# Altium PCB CSU RevB_ASCII.PcbDoc (part 4 of 5)
Units mil, origin at the board's own origin, x right, y up, seen from the top; angles counter-clockwise.
Board outline 5905.51 x 4330.71 mil, 8 copper layers (Top Layer, InternalPlane1, MidLayer1, InternalPlane2, MidLayer2, InternalPlane3, MidLayer3, Bottom Layer); 265 components, 387 nets, 1910 pads, 1151 vias.
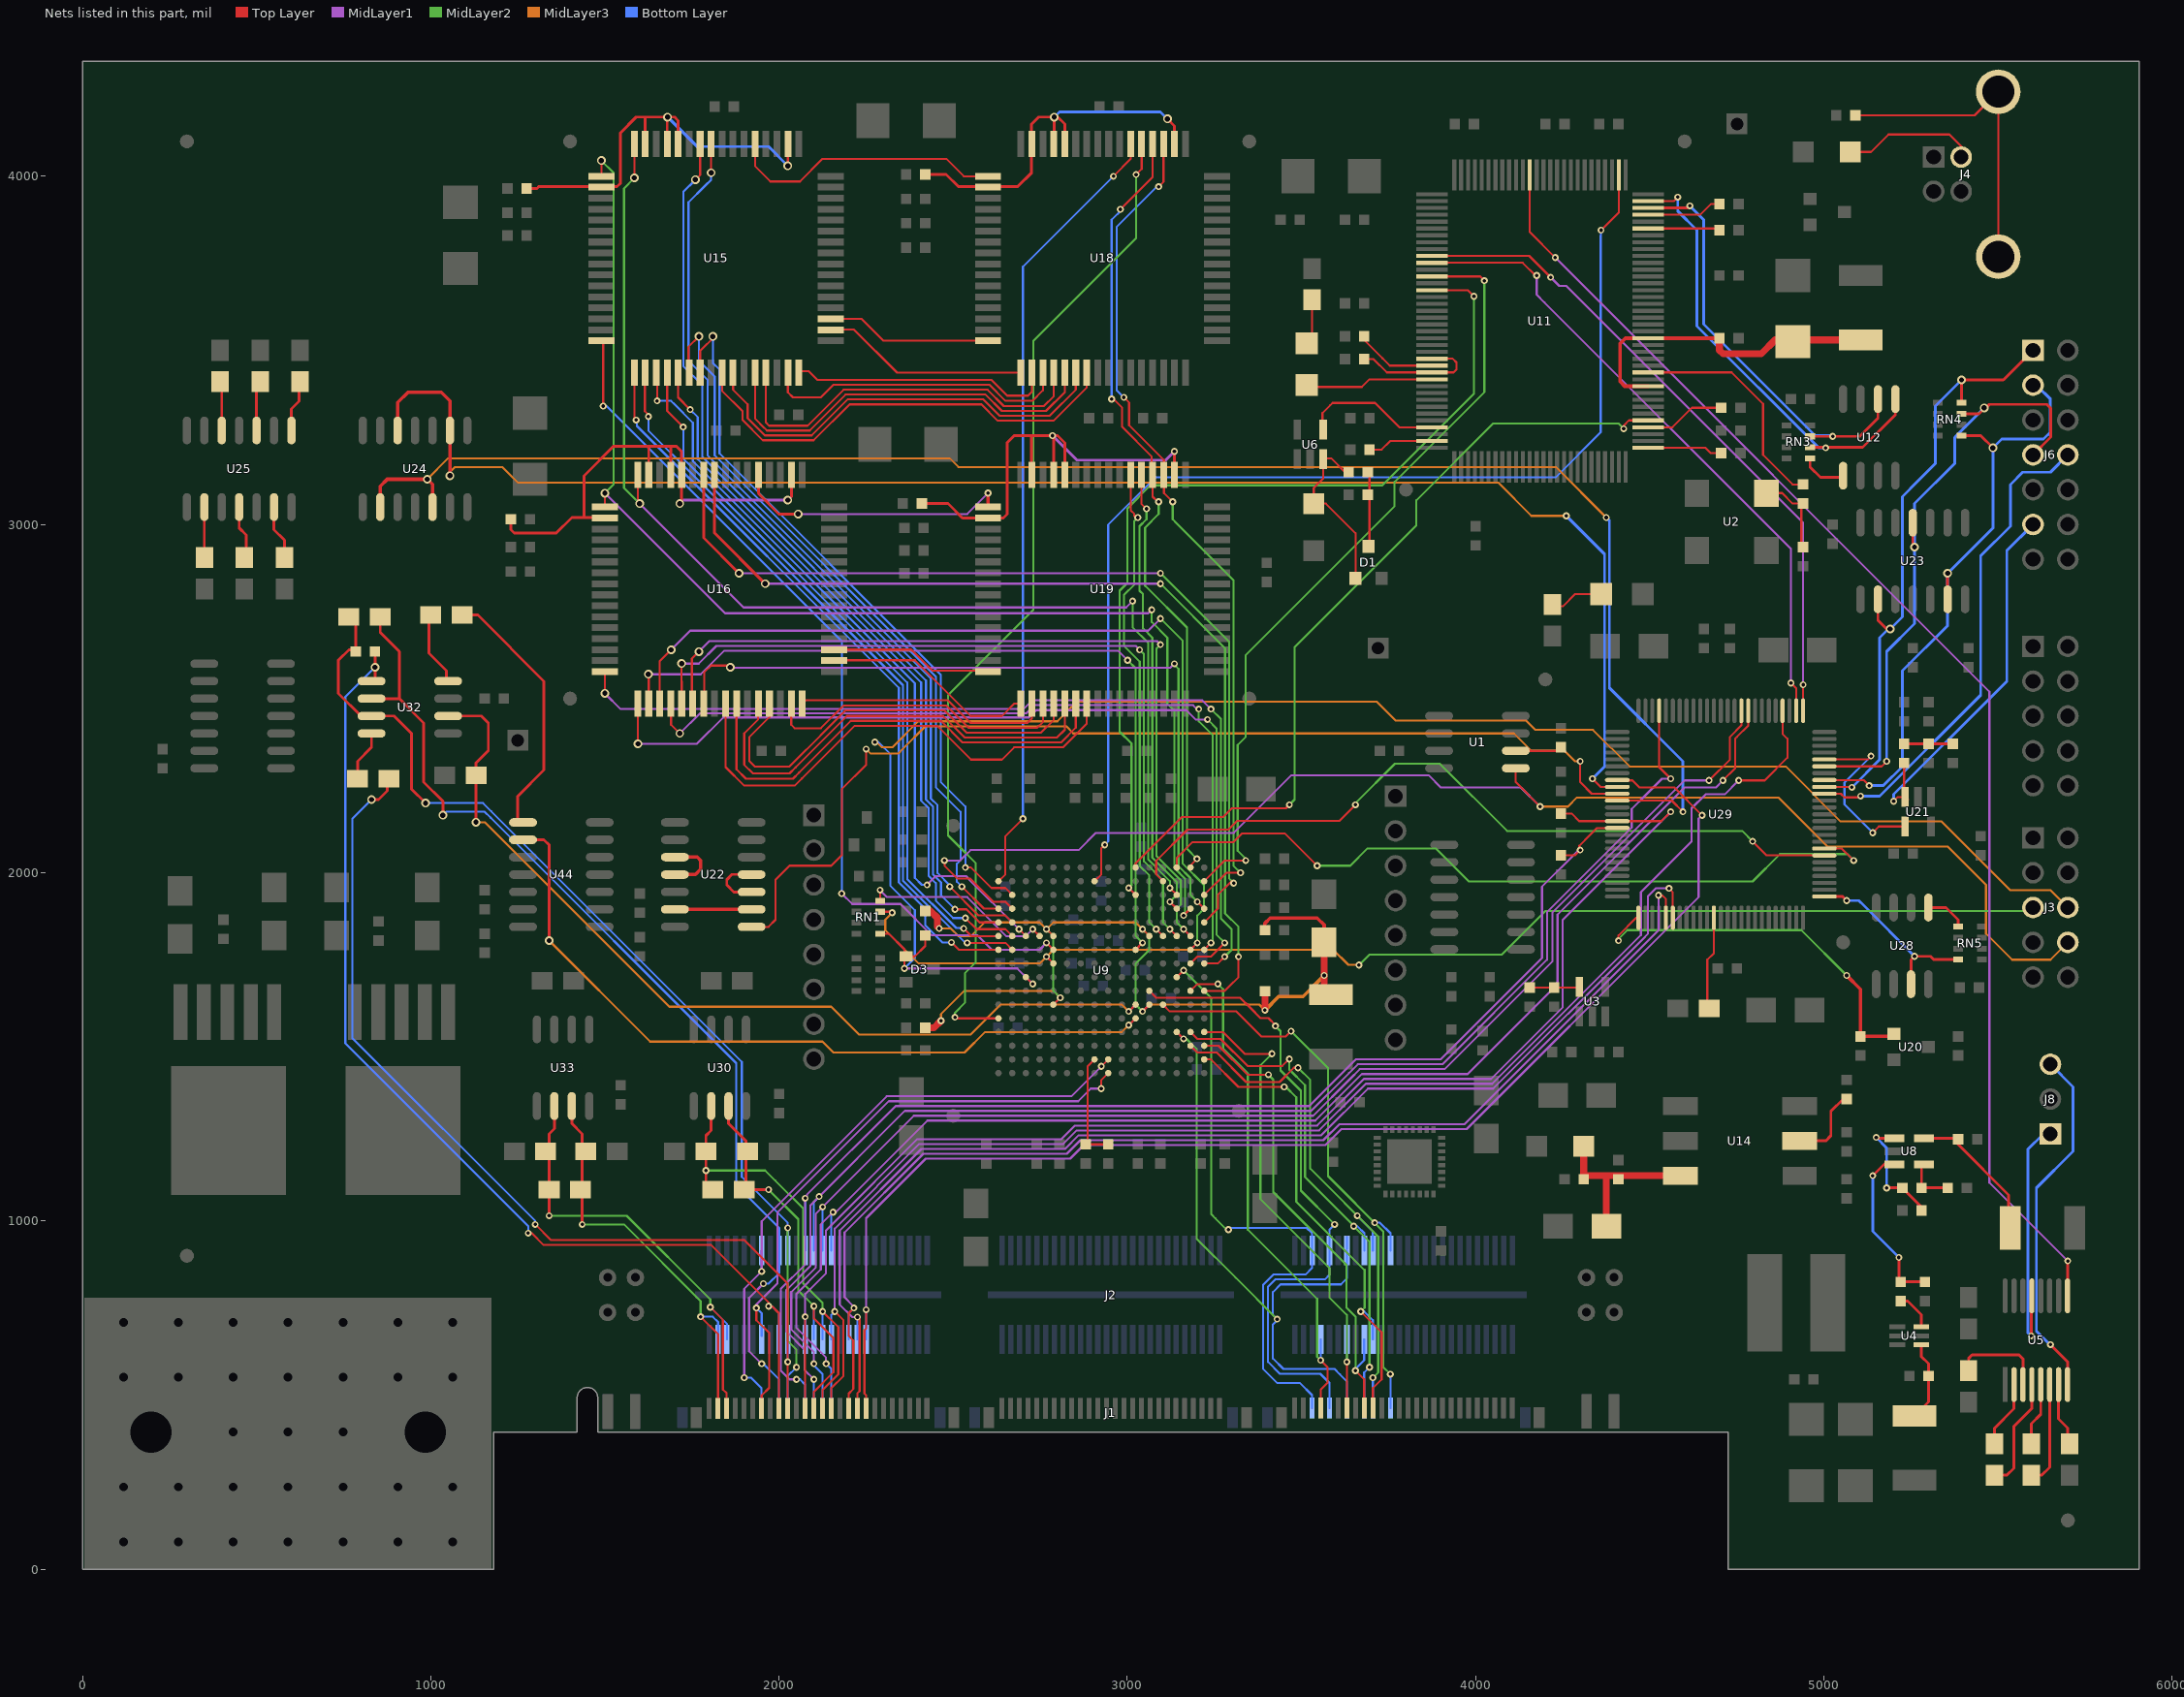
[diagram p10: the nets of this part, all layers, seen from the top]

## Via types
v1: diameter 20, hole 10, Top Layer to Bottom Layer, 647 vias
v2: diameter 25, hole 15, Top Layer to Bottom Layer, 352 vias
v3: diameter 20, hole 10, Top Layer to Bottom Layer, tented top, 151 vias
v4: diameter 20, hole 10, Top Layer to Bottom Layer, tented bottom, 1 vias

## Nets (pads, with @x,y where several pads share a name; then routed paths per layer and width w, separated by ;. In a path a pad name is that pad's centre, name@x,y a point inside that pad or via, vN(x,y) a via of type N, cw(c..) or ccw(c..) an arc to the next point about the centre after c; other vN are vias at no path point) (continued)
MPP: J1.45 J2.45 U9.K15 | length 1502.6
  Top Layer w6: U9.K15@3181.18,1660.67 3200.87,1680.35 v1(3259.92,1680.35) ; v1(3555,600) 3575,580 3575,535 3555,515 3555,463.05 J1.45@3555.21,462.85
  MidLayer2 w6: v1(3259.92,1680.35) 3275,1665.28 3275,1495 3346,1424 3346,974.91 3545,775.91 3545,610 v1(3555,600)
  Bottom Layer w6: v1@3555.51,600.51 J2.45@3555.51,659.84
N_CONFIG: J3.5 RN1.3 U9.H5 | length 3559.7
  Top Layer w6: RN1.3@2290.01,1887.99 2322.01,1887.99 v1(2325,1885) ; v3(2767.8,1759.09) U9.H5@2787.48,1739.41
  MidLayer2 w6: v1(3665,1735) 3695,1765 4075,1765 4200,1890 5590,1890 J3.5@5600,1900
  MidLayer3 w6: v1(2325,1885) 2305,1865 2305,1835 2400.59,1739.41 2748.11,1739.41 2787.48,1778.78 3591.22,1778.78 3634.57,1735.43 3664.57,1735.43 v1(3665,1735)
NCE: C14.1 D3.1 J3.6 RN1.1 U9.J3 | length 5107
  Top Layer w6: RN1.1@2290.01,1825 2315,1825 2360,1780 v1(2360,1725) ; D3.1@2360,1760 2390,1760 2420,1790 C14.1@2420,1820.01 ; U9.J3@2708.74,1700.04 v3(2728.43,1680.35)
  MidLayer1 w6: v1(2360,1725) 2683.78,1725 2716.44,1692.34 v3(2728.43,1680.35)
  MidLayer3 w6: v1(2275,2375) 2280,2375 2295,2360 2325,2360 2400,2435 2799,2435 2855,2491 3715.9,2491 3770,2436.9 4145,2436.9 4171.9,2410 4336.97,2410 4441.97,2305 4890,2305 5048,2147 5338,2147 5535,1950 5650,1950 J3.6@5700,1900
  Bottom Layer w6: v1(2275,2375) 2285,2375 2320,2340 2320,1962.12 2390,1892.12 2390,1755 v1(2360,1725)
NCS: J3.8 U1.1 U9.D2 | length 4069.6
  Top Layer w6: v1(2475,2035) 2475,2020 2512,1983 2549,1983 2615.43,1916.57 2649.68,1916.57 U9.D2@2669.37,1896.89 ; U1.1@4115,2300 4115,2260 v1(4185,2190)
  MidLayer1 w6: v1(2475,2035) 2520,2035 2550,2065 2860,2065 2909.54,2114.54 3305.46,2114.54 3470.91,2280 3865,2280 3900,2245 4130,2245 v1(4185,2190)
  MidLayer3 w6: v1(4185,2190) 4265,2190 4291,2216 4869,2216 5010,2075 5355,2075 5465,1965 5465,1825 5540,1750 5650,1750 J3.8@5700,1800
NetC2_1: C2.1 D1.1 R3.2 U6.3 | length 514.4
  Top Layer w6: R3.2@3635,3150.02 3624.99,3150.01 3585,3190 3564.72,3190 U6.3@3562.4,3187.68 3562.4,3132.4 3535,3105 C2.1@3535,3060 3570,3060 3655,2975 D1.1@3655,2845
NetC5_2: C5.2 J4.E1 J4.E2 | length 912.5
  Top Layer w6: C5.2@5090,4174.99 5432.47,4174.99 J4.E2@5500.39,4242.91 J4.E1@5500.39,3768.9
NetC6_1: C6.1 U5.2 | length 193
  Top Layer w8: C6.1@5490,360 5490,405 5545.59,460.59 U5.2@5545.59,530
NetC6_2: C6.2 U5.4 | length 324.7
  Top Layer w8: C6.2@5490,270 5525,270 5545,290 5545,410 5596.77,461.77 U5.4@5596.77,530
NetC7_1: C7.1 L1.2 U4.4 | length 229.4
  Top Layer w8: L1.2@5260.04,440.12 5300,480.09 5300,590 5279.45,610.55 U4.4@5279.45,644.41
NetC9_1: C9.1 C13.1 L3.2 U11.10 U11.17 | length 997.5
  Top Layer w6: C13.1@4890,3490 4890,3500 4910.22,3520.22 C13.1@4910.22,3524.85 ; L3.2@5099.94,3524.85 L3.2@5104.96,3529.88
  Top Layer w10: U11.10@4495,3397.17 4427.83,3397.17 4415,3410 4415,3520 4429.93,3534.93 C9.1@4700,3534.99
  Top Layer w20: C9.1@4700,3534.99 4700,3500 4710,3490 4820,3490 4860,3530 L3.2@5105,3530
NetC16_1: C16.1 U5.7 | length 183
  Top Layer w8: U5.7@5673.54,530 5673.54,431.46 5700,405 5700,365 C16.1@5705,360
NetC17_1: C17.1 U5.5 | length 181.3
  Top Layer w8: C17.1@5595,360 5595,417.64 5622.36,445 U5.5@5622.36,530
NetC17_2: C17.2 U5.6 | length 299.5
  Top Layer w8: C17.2@5595,270 5625,270 5647.95,292.95 U5.6@5647.95,530
NetC19_1: C19.1 U5.3 | length 283.8
  Top Layer w8: C19.1@5415,560 5415,605 5425,615 5560,615 5571.18,603.82 U5.3@5571.18,530
NetC24_1: C24.1 L4.1 U8.5 | length 430.8
  Top Layer w8: U8.5@5287.32,1237.4 5382.59,1237.4 C24.1@5385,1234.99 5385,1220 5530,1075 5530,970 L4.1@5535,965
NetC31_1: C31.1 C35.2 C38.1 L5.2 U14.6 | length 521.6
  Top Layer w20: L5.2@4310,1215 C35.2@4310,1119.99 4320.01,1130 U14.6@4587.48,1130 ; C31.1@4375,985 4375,1130
NetC74_1: C74.1 R30.2 R32.2 | length 140
  Top Layer w8: R30.2@5230.01,2370 R32.2@5370.01,2370
NetC110_1: C110.1 U29.62 | length 258.4
  Top Layer w6: C110.1@4665,1620 4665,1750 4684.09,1769.09 U29.62@4684.09,1870.51
NetC127_1: C127.1 C128.2 C130.2 C132.2 C134.2 L7.1 U9.F5 U9.F12 U9.L5 U9.L12 | length 2829.6
  Top Layer w6: C134.2@2420,1889.99 C134.2@2420,1899.99 ; v3(2767.8,1837.83) U9.F5@2787.48,1818.15 ; U9.L5@2787.48,1621.3 v3(2807.17,1640.98) ; v3(3043.39,1601.61) U9.L12@3063.07,1621.3 ; v3(3043.39,1837.83) U9.F12@3063.07,1818.15 ; L7.1@3565,1650 L7.1@3595,1650 ; C127.1@3565,1785 C127.1@3565,1795
  Top Layer w10: C128.2@3395,1835.01 3395,1855 3410,1870 3545,1870 3565,1850 C127.1@3565,1795
  Top Layer w20: C132.2@2420,1555 2445,1555 v1(2465,1575) ; C134.2@2420,1889.99 2435.01,1889.99 2455,1870 2455,1845 v1(2460,1840) ; v1(3395,1605) C130.2@3395,1660.01 ; L7.1@3565,1650 v1(3565,1705) C127.1@3565,1785
  MidLayer2 w6: v3(2767.8,1837.83) 2787.48,1818.15 2787.48,1660.67 v3(2807.17,1640.98) ; v3(3043.39,1601.61) 3023.7,1621.3 3023.7,1739.41 3063.07,1778.78 3063.07,1818.15 v3(3043.39,1837.83)
  MidLayer3 w6: v1(2460,1840) 2493.15,1840 2515,1818.15 2551.26,1818.15 2590.63,1857.52 2748.11,1857.52 v3(2767.8,1837.83) 2787.48,1857.52 3023.7,1857.52 v3(3043.39,1837.83) ; v1(2465,1575) 2465,1594.09 2531.57,1660.67 2787.48,1660.67 v3(2807.17,1640.98) ; v3(3043.39,1601.61) 3063.07,1621.3 3378.7,1621.3 v1(3395,1605)
  MidLayer3 w10: v1(3395,1605) 3434.1,1644.1 3504.1,1644.1 v1(3565,1705)
NetD1_3: D1.3 R1.2 R3.1 | length 217.1
  Top Layer w6: R3.1@3690,3150.02 3695,3145.01 D1.3@3695,2935
NetD2_A: D2.A R4.2 | length 131.2
  Top Layer w6: D2.A@3515,3520 3530,3535 R4.2@3530,3645
NetD2_K: D2.K U11.92 | length 360.6
  Top Layer w6: D2.K@3525,3400 3530,3395 3673.15,3395 3695,3416.85 U11.92@3874.45,3416.85
NetD5_A: D5.A R29.1 | length 156.6
  Top Layer w6: R29.1@4220,2770 4225,2765 4250,2765 4285,2800 D5.A@4360,2800
NetJ4_4: J4.4 L2.1 | length 380.6
  Top Layer w6: L2.1@5080,4070 5135,4070 5185,4120 5360,4120 5395,4085 5395,4056.42 J4.4@5393.7,4055.12
NetJ6_11: J6.11 R30.1 U21.3 | length 1111.2
  Top Layer w6: v1(5200,2205) 5212.32,2217.32 U21.3@5232.6,2217.32 U21.3@5230.01,2219.91
  Top Layer w8: R30.1@5230.01,2315 5230.01,2219.99 U21.3@5240,2210
  Bottom Layer w8: v1(5200,2205) 5200,2225 5525,2550 5525,2925 J6.11@5600,3000
NetR2_1: R2.1 U1.2 | length 130
  Top Layer w6: U1.2@4115,2350 R2.1@4245,2350
NetR5_1: R5.1 R6.1 U2.3 | length 249.5
  Top Layer w6: U2.3@4825,3090 4880,3090 4910,3060 4935,3060 4935,2939.99 R5.1@4939.99,2935
NetR6_2: R6.2 U11.12 | length 664
  Top Layer w6: U11.12@4495,3436.54 4735,3436.54 4825,3346.54 4825,3200 4910,3115 R6.2@4940.01,3115
NetR7_1: R7.1 U11.90 | length 235
  Top Layer w6: R7.1@3680,3540.01 3680,3530 3732.77,3477.23 3753.78,3456.22 U11.90@3874.45,3456.22
NetR8_2: R8.2 U11.89 U11.91 | length 379.5
  Top Layer w6: R8.2@3680,3474.99 3706.54,3474.99 3745,3436.54 3936.54,3436.54 3945,3445 3945,3465 3934.09,3475.91 U11.89@3874.45,3475.91
NetR9_2: R9.2 U11.35 | length 217.7
  Top Layer w6: U11.35@4495,3889.29 4644.29,3889.29 4675,3920 R9.2@4700,3920.01
NetR10_2: R10.2 U11.101 | length 189.7
  Top Layer w6: R10.2@3695.01,3215 3730,3215 3754.68,3239.68 U11.101@3874.45,3239.68
NetR11_2: R11.2 U11.4 | length 233.2
  Top Layer w6: U11.4@4495,3279.06 4565,3279.06 4620.94,3335 R11.2@4705,3335.01
NetR12_1: R12.1 R16.1 U3.5 | length 143.6
  Top Layer w6: R16.1@4154.99,1670 4295.28,1670 U3.5@4297.6,1672.32
NetR13_1: R13.1 U4.6 | length 110.7
  Top Layer w8: R13.1@5220.01,770 5240,770 5279.45,730.55 U4.6@5279.45,695.59
NetR13_2: R13.2 R15.2 U8.3 | length 487.6
  Top Layer w8: v1(5140,1130) 5175,1165 U8.3@5205,1165 ; v1(5215,895) 5215,830.01 R13.2@5220.01,825 R15.2@5290.01,825
  Bottom Layer w8: v1(5140,1130) 5140,970 v1(5215,895)
NetR14_2: R14.2 R18.1 U8.4 | length 145
  Top Layer w8: U8.4@5280,1165 R18.1@5280,1095.01 R14.2@5355,1095.01
NetR17_1: R17.1 U11.33 | length 207
  Top Layer w6: U11.33@4495,3849.92 4695.07,3849.92 R17.1@4700,3844.99
NetR18_2: R18.2 R59.1 U8.1 | length 344
  Top Layer w8: v1(5150,1240) 5152.6,1237.4 U8.1@5202.68,1237.4 ; v1(5180,1095) R18.2@5225,1095.01 5280,1040.01 R59.1@5280,1030.01
  Bottom Layer w8: v1(5150,1240) 5180,1210 v1(5180,1095)
NetR19_2: R19.2 R20.2 U9.R8 | length 319.4
  Top Layer w6: U9.R8@2905.59,1463.82 2885.91,1444.13 2885.91,1225.9 R19.2@2880.02,1220 R20.2@2945.01,1220
NetR22_1: R22.1 U11.1 | length 216.2
  Top Layer w6: U11.1@4495,3220 4660,3220 4675,3205 R22.1@4704.99,3205
NetR24_2: R24.2 U14.2 | length 225.7
  Top Layer w8: U14.2@4930,1230 5005,1230 5020,1245 5020,1315 5055,1350 R24.2@5064.99,1350
NetR25_1: R25.1 U15.2 U15.50 U15.60 U15.61 U15.63 | length 1374.6
  Top Layer w6: v2@1678.98,4168.98 v2(1680,4170)
  Top Layer w8: R25.1@1275,3965.01 1305.01,3965.01 1310,3970 1535,3970 1545,3980 1545,4125 1590,4170 1700,4170 1710.47,4159.53 U15.60@1710.47,4093 ; U15.61@1678.98,4093 v2@1678.98,4168.98 ; v2(2025,4030) 2025.43,4030.43 U15.50@2025.43,4093 ; U15.63@1615,4093.98 1615,4170 1615.98,4169.02 U15.63@1615.98,4093 U15.63@1615,4093.98
  Bottom Layer w8: v2(1680,4170) 1765,4085 1970,4085 v2(2025,4030)
NetR26_1: R26.1 U16.2 U16.50 U16.60 U16.61 U16.63 | length 1472.6
  Top Layer w6: 1688.98,3223.98 1690,3225
  Top Layer w8: R26.1@1230,3014.99 1230,2985 1240,2975 1360,2975 1405,3020 1440,3020 ; U16.2@1500,3020 1440,3020 ; U16.63@1625.98,3143 1625.98,3224.02 1625,3225 ; U16.61@1688.98,3143 1688.98,3223.98 1687.95,3225 1625,3225 ; 1690,3225 1705,3225 1720,3210 U16.60@1720,3143.47 ; v2(1715,3060) 1720,3065 U16.60@1720,3143.47 ; U16.60@1720.47,3143 U16.60@1720,3143.47 ; v2(2025,3070) 2035.43,3080.43 U16.50@2035.43,3143 ; 1440,3020 1440,3140 1525,3225 1625,3225
  MidLayer1 w8: v2(1715,3060) 1725,3070 v2(2025,3070)
NetR27_2: R27.2 U18.2 U18.50 U18.60 U18.61 U18.63 | length 1149.8
  Top Layer w8: R27.2@2420,4004.99 2480.01,4004.99 2515,3970 2685,3970 2725,4010 2725,4150 2745,4170 2800,4170 2820.47,4149.53 U18.60@2820.47,4093 ; U18.61@2790,4085 v2(2790,4170) ; v2(3115,4165) 3135.43,4144.57 U18.50@3135.43,4093
  Bottom Layer w8: v2(2790,4170) 2805,4185 3095,4185 v2(3115,4165)
NetR28_1: R28.1 U19.2 U19.50 U19.60 U19.61 U19.63 | length 1428.3
  Top Layer w8: R28.1@2410,3060.01 2485,3060 2526.5,3018.5 2643.5,3018.5 2655,3030 2655,3235 2675,3255 2800,3255 2820.47,3234.53 U19.60@2820.47,3143 ; 2725,3255 2725,3143.98 U19.63@2725.98,3143 ; v1(2785,3255) 2788.98,3251.02 U19.61@2788.98,3143 ; v1(3135,3210) 3135.43,3209.57 U19.50@3135.43,3143
  MidLayer1 w8: v1(2785,3255) 2855,3185 3110,3185 v1(3135,3210)
NetR33_2: R33.2 U25.2 | length 148.5
  Top Layer w6: U25.2@345,3050 U25.2@347.5,3047.5
  Top Layer w8: R33.2@350,2905 U25.2@350,3050
NetR34_2: R34.2 U25.4 | length 155.4
  Top Layer w8: U25.4@450,3050 450,2990 470,2970 470,2910 R34.2@465,2905
NetR35_2: R35.2 U25.6 | length 157.4
  Top Layer w8: U25.6@550,3050 550,2985 580,2955 R35.2@580,2905
NetR36_2: R36.2 U25.8 | length 165
  Top Layer w8: U25.8@600,3270 600,3331.46 622.13,3353.58 622.13,3422.87 R36.2@620,3425
NetR37_2: R37.2 U25.10 | length 144.1
  Top Layer w6: R37.2@500,3400 R37.2@510,3410
  Top Layer w8: U25.10@500,3270 R37.2@500,3400
NetR38_2: R38.2 U25.12 | length 142.1
  Top Layer w6: R38.2@395,3410 R38.2@400,3405
  Top Layer w8: U25.12@400,3270 R38.2@400,3405
NetR45_1: R45.1 U32.4 | length 197.8
  Top Layer w8: R45.1@995,2725 995,2630 1045,2580 1045,2555 U32.4@1050,2550
NetR45_2: R45.2 U44.8 | length 750.2
  Top Layer w8: R45.2@1090,2740 1135,2740 1325,2550 1325,2295 1250,2220 U44.8@1250,2144.57
NetR47_2: R47.2 U32.8 | length 146.6
  Top Layer w8: R47.2@790,2270 790,2320 830,2360 U32.8@830,2400
NetRN3_1: RN3.1 U12.1 | length 134.5
  Top Layer w8: RN3.1@4960.01,3190 4960.01,3164.99 4990,3135 5050,3135 U12.1@5055,3140
NetRN5_1: RN5.1 U28.1 | length 119.5
  Top Layer w8: U28.1@5300,1900 5350,1900 5384.99,1865.01 RN5.1@5384.99,1845
NetRN5_4: RN5.4 U28.7 U29.76 | length 543.1
  Top Layer w8: U29.76@5001.02,1931.54 5053.46,1931.54 v1(5065,1920) ; U28.7@5250,1680 5250,1750 v1(5260,1760) 5305.51,1760 5315,1750.51 RN5.4@5384.99,1750.51
  Bottom Layer w8: v1(5065,1920) 5100,1920 5115,1905 v1(5260,1760)
NetU15_25: U15.25 U18.23 | length 1317.2
  Top Layer w6: U15.25@1836.46,3436 1836.46,3383.54 1895,3325 1895,3300 1953.28,3241.72 2099.4,3241.72 2202.68,3345 2581,3345 2628,3298 2788,3298 2883.46,3393.46 U18.23@2883.46,3436
NetU15_26: U15.26 U18.22 | length 1253.1
  Top Layer w6: U15.26@1867.95,3436 1867.95,3387.05 1910,3345 1910,3305 1924.91,3290.09 1959.28,3255.72 2093.6,3255.72 2196.88,3359 2586.8,3359 2633.8,3312 2777,3312 2851.97,3386.97 U18.22@2851.97,3436
NetU15_28: U15.28 U18.21 | length 1201
  Top Layer w6: U15.28@1930.94,3436 1930.94,3304.06 1957.46,3277.54 ; 1940,3295 1965.28,3269.72 2087.8,3269.72 2191.08,3373 2592.6,3373 2639.6,3326 2766.47,3326 2820.47,3380 U18.21@2820.47,3436
NetU15_29: U15.29 U18.20 | length 1114.9
  Top Layer w6: U15.29@1962.44,3436 1962.44,3292.56 1971.28,3283.72 2082,3283.72 2185.28,3387 2598.4,3387 2645.4,3340 2760,3340 2788.98,3368.98 U18.20@2788.98,3436
NetU15_31: U15.31 U18.19 | length 891.9
  Top Layer w6: U15.31@2025.43,3436 2025.43,3379.57 2040,3365 2120,3365 2156,3401 2604.2,3401 2650.2,3355 2727.48,3355 2757.48,3385 U18.19@2757.48,3436
NetU15_32: U15.32 U18.18 | length 759.3
  Top Layer w6: U15.32@2056.93,3436 2060.93,3440 2085,3440 2110,3415 2610,3415 2655,3370 2715,3370 2725.98,3380.98 U18.18@2725.98,3436
NetU15_34: U15.34 U18.17 | length 598.2
  Top Layer w6: U15.34@2148,3559.06 2148.94,3560 2215,3560 2339,3436 U18.17@2694.49,3436
NetU15_35: U15.35 U18.16 | length 478.1
  Top Layer w6: U15.35@2148,3590.55 2237.01,3590.55 2300,3527.56 U18.16@2600,3527.56
NetU15_53: U15.53 U18.1 | length 798.9
  Top Layer w6: U15.53@1930.94,4093 1930.94,4029.06 1975,3985 2060,3985 2125,4050 2480,4050 2530,4000 U18.1@2600,4000
NetU16_25: U16.25 U19.23 | length 1455.5
  Top Layer w6: U16.25@1845,2484.54 U16.25@1846.46,2486 1846.46,2303.54 1900,2250 2045,2250 2065.54,2270.54 2217,2422 2454,2422 2551,2325 2640,2325 2675,2360 2815,2360 2883.46,2428.46 U19.23@2883.46,2486
NetU16_26: U16.26 U19.22 | length 1355.6
  Top Layer w6: U16.26@1877.95,2486 1877.95,2297.05 1905,2270 2040,2270 2057.51,2287.51 2206,2436 2465,2436 2527,2374 2809.2,2374 2851.97,2416.77 U19.22@2851.97,2486
NetU16_28: U16.28 U19.21 | length 1311.3
  Top Layer w6: U16.28@1940,2495 1940,2440 1900,2400 1900,2310 1925,2285 2030,2285 2047.44,2302.44 2195,2450 2470.8,2450 2532.8,2388 2798,2388 2820.47,2410.47 U19.21@2820.47,2486
NetU16_29: U16.29 U19.20 | length 1225.6
  Top Layer w6: U16.29@1972.44,2486 1972.44,2447.44 1915,2390 1915,2320 1930,2305 2030.2,2305 2039.96,2314.76 2120,2394.8 2120,2395 2191,2466 2474.6,2466 2538.6,2402 2752,2402 2788.98,2438.98 U19.20@2788.98,2486
NetU16_31: U16.31 U19.19 | length 901.6
  Top Layer w6: U16.31@2035.43,2486 2035,2485.57 2035,2425 2045,2415 2120,2415 2185,2480 2480.4,2480 2544.4,2416 2741,2416 2757.48,2432.48 U19.19@2757.48,2486
NetU16_32: U16.32 U19.18 | length 738.1
  Top Layer w6: U16.32@2066.93,2486 2075.93,2495 2485.2,2495 2550.2,2430 2713,2430 2725.98,2442.98 U19.18@2725.98,2486
NetU16_34: U16.34 U19.17 | length 618.1
  Top Layer w6: U16.34@2158,2609.06 2158.94,2610 2390,2610 2550,2450 2640,2450 2676,2486 U19.17@2694.49,2486
NetU16_35: U16.35 U19.16 | length 467.1
  Top Layer w6: U16.35@2158,2640.55 2379.25,2640.55 2439.8,2580 U19.16@2600,2580
NetU16_53: U16.53 U19.1 | length 802.3
  Top Layer w8: U16.53@1940.94,3143 1940.94,3089.06 2000,3030 v2(2055,3030)
  Top Layer w10: U19.1@2600,3050 v1(2600,3090)
  MidLayer1 w6: v2(2055,3030) 2540,3030 v1(2600,3090)
NetU22_2: U22.2 U22.13 | length 220
  Top Layer w10: U22.13@1701.14,1894.57 U22.2@1921.14,1894.57
NetU22_3: U22.3 U22.4 | length 180.8
  Top Layer w8: U22.3@1921.14,1944.57 1870.43,1944.57 1850,1965 1850,1980 1865,1995 U22.4@1930,1995
NetU22_10: U22.10 U22.11 | length 183.4
  Top Layer w10: U22.11@1701.14,1994.57 1701.57,1995 1760,1995 1775,2010 1775,2035 1765,2045 1701.57,2045 U22.10@1701.14,2044.57
NSTATUS: RN1.4 U9.F4 | length 559
  Top Layer w6: RN1.4@2290,1920 v1(2290,1950) ; v3(2728.43,1837.83) U9.F4@2748.11,1818.15
  MidLayer1 w6: v1(2290,1950) 2310,1930 2540,1930 2651.85,1818.15 2708.74,1818.15 v3(2728.43,1837.83)
NTP_PULSE: U9.B16 U11.77 | length 2265.9
  Top Layer w6: U9.B16@3220.55,1975.63 3279.92,2035 v1(3340,2035) ; U11.77@3874.45,3712.13 4012.87,3712.13 v1(4025,3700)
  MidLayer2 w6: v1@3338.66,2036.34 3338.66,2040.89 3316.55,2063 3316.55,2366.55 3340,2390 3340,2625 3767.2,3052.2 3767.2,3122.2 4025,3380 v1(4025,3700)
O_DAT0: U9.C2 U15.23 | length 2119.5
  Top Layer w6: U15.23@1773.46,3436 1773.46,3498.46 1815,3540 v2(1810,3540) ; U15.23@1775,3435 U15.23@1775,3436 ; v1(2535,2015) 2550.94,2015 2610,1955.94 2649.68,1955.94 U9.C2@2669.37,1936.26
  Bottom Layer w6: v2(1810,3540) 1810,3464 1829,3445 1829,3204.19 2464,2569.19 2464,2261 2535,2190 v1(2535,2015)
O_DAT1: U9.D1 U15.22 | length 2151.6
  Top Layer w6: U15.22@1741.97,3437.97 U15.22@1741.97,3436 1740,3437.97 1740,3510 v2(1770,3540) ; v1(2525,1960) 2588.11,1896.89 U9.D1@2630,1896.89
  Bottom Layer w6: v2(1770,3540) 1770,3470 1815,3425 1815,3410 1815,3198.39 2450,2563.39 2450,2246 2521,2175 2521,2036 2510.71,2025.71 2510.71,1974.29 v1(2525,1960)
O_DAT2: U9.F2 U15.21 | length 2084.1
  Top Layer w6: U15.21@1710,3436 1710,3365 v1(1745,3330) ; v1(2535,1870) 2567.17,1837.83 2649.68,1837.83 U9.F2@2669.37,1818.15
  Bottom Layer w6: v1(1745,3330) 1766.6,3308.4 1766.6,3187.4 2408,2545.99 2408,2207 2430,2185 2430,1990 2450,1970 2450,1920 2500,1870 v1(2535,1870)
O_DAT3: U9.F1 U15.20 | length 2083.7
  Top Layer w6: U15.20@1680,3450 1678.98,3448.98 U15.20@1678.98,3436 1678.98,3326.02 v1(1725,3280) ; v1(2530,1840) 2551.85,1818.15 U9.F1@2630,1818.15
  Bottom Layer w6: v1(1725,3280) 1725,3189.4 1746.26,3168.14 2368,2546.4 2368,1982 2508.85,1841.15 2528.85,1841.15 v1(2530,1840)
O_DAT4: U9.F3 U15.19 | length 2190.6
  Top Layer w6: U15.19@1647.48,3436 1650,3433.48 v1(1650,3355) ; v3(2689.06,1837.83) U9.F3@2708.74,1818.15
  MidLayer1 w6: v1(2425,1965) 2450,1990 2536.89,1990 v3(2689.06,1837.83)
  Bottom Layer w6: v1(1650,3355) 1690,3355 1700.9,3344.1 1752.6,3292.4 1752.6,3181.6 2390,2544.2 2390,2070 2390,1985 2410,1965 v1(2425,1965)
O_DAT5: U9.G2 U15.18 | length 2175.4
  Top Layer w6: U15.18@1615,3450 1615,3325 1625,3315 v1(1625,3310) ; v1(2540,1798.46) 2649.68,1798.46 U9.G2@2669.37,1778.78
  Bottom Layer w6: v1(1625,3310) 1625,3269.6 1758.6,3136 2356,2538.6 2356,1977.03 2534.56,1798.46 v1(2540,1798.46)
O_DAT6: U9.G1 U15.17 | length 2172.8
  Top Layer w6: U15.17@1584.49,3436 1584.49,3305.51 v1(1590,3300) ; v1(2495,1800) 2516.22,1778.78 U9.G1@2630,1778.78
  Bottom Layer w6: v1(1590,3300) 1591.97,3298.03 1591.97,3282.83 2344,2530.8 2344,1972.06 2420,1896.06 2420,1849.15 2470,1799.15 2494.15,1799.15 v1(2495,1800)